# Altium PCB main.PcbDoc
Units mm, origin at the board's own origin, x right, y up, seen from the top; angles counter-clockwise.
Board outline 74.83 x 28.1 mm, 2 copper layers (S1 TOP, S2 BOTTOM), stack 0.67 mm thick; 90 components, 47 nets, 254 pads, 153 vias.
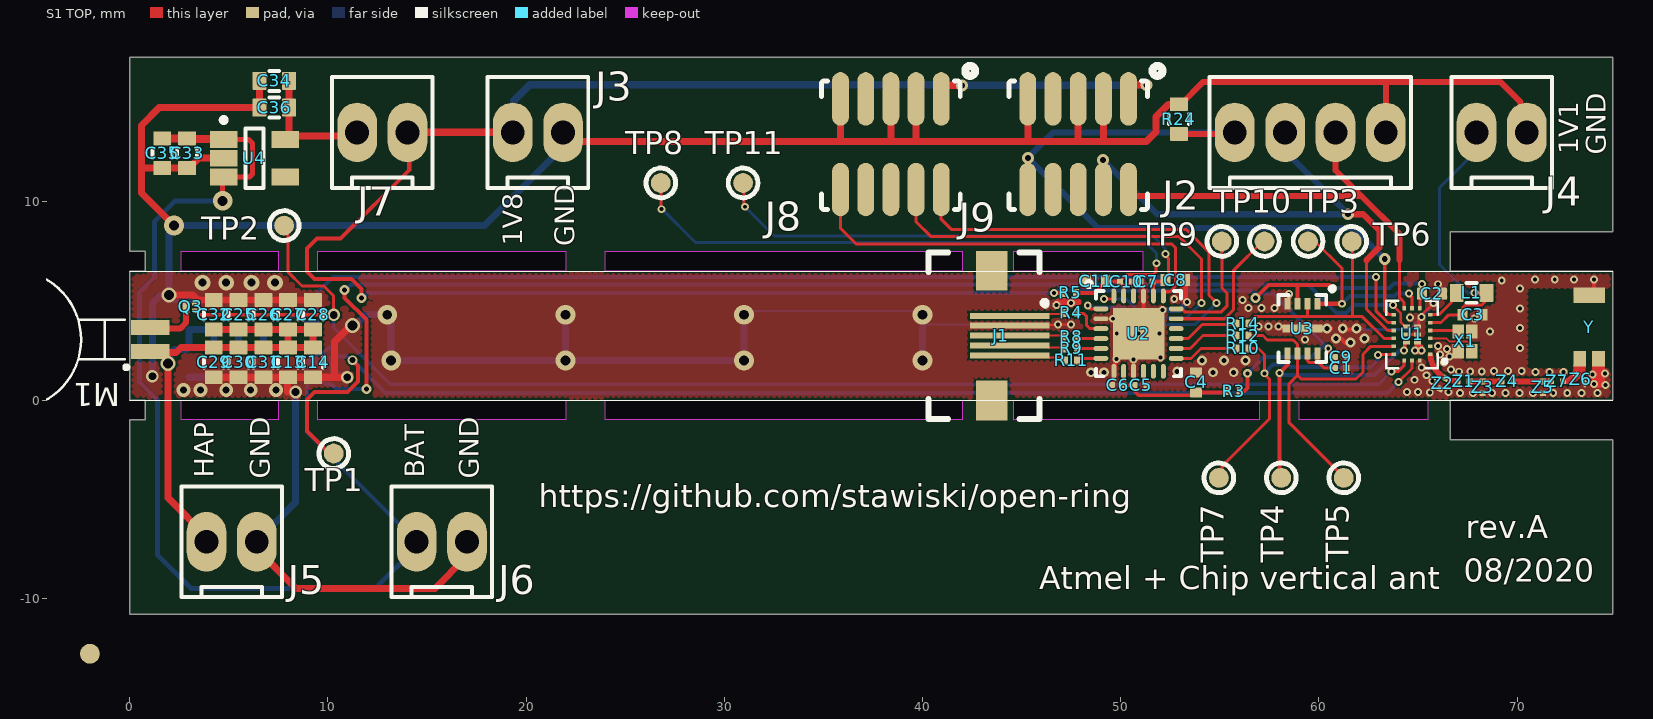
[diagram p0: S1 TOP view]
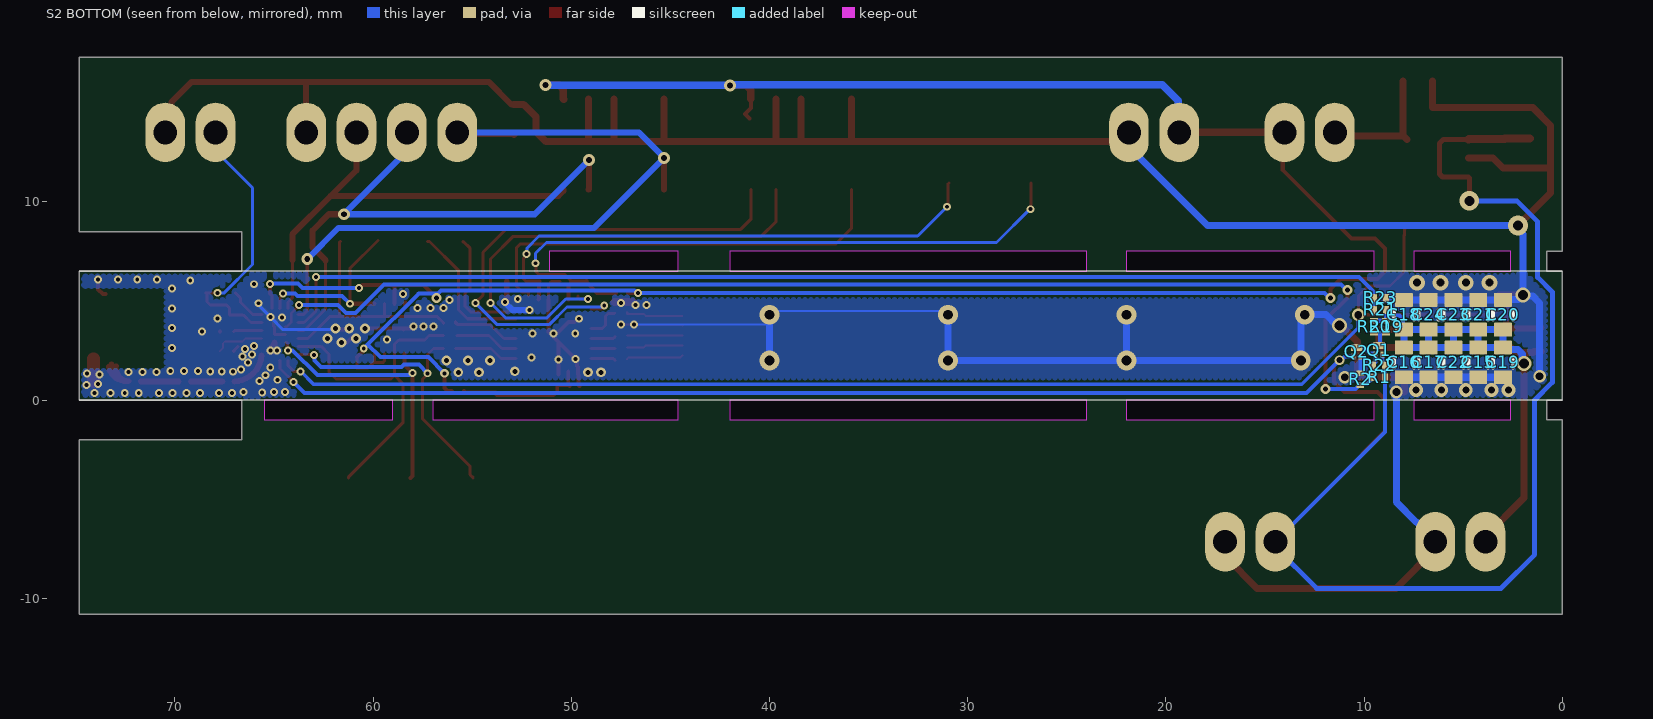
[diagram p1: S2 BOTTOM view, seen from below]
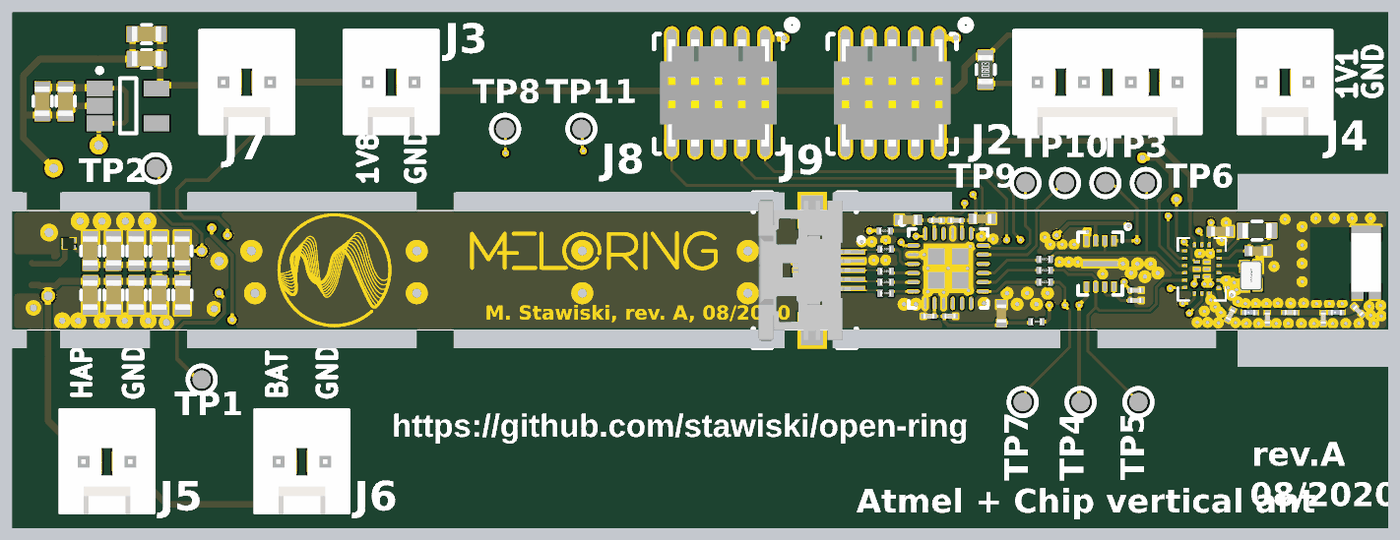
[diagram p2: 3D render of the assembled board from above, using the file's embedded part models]
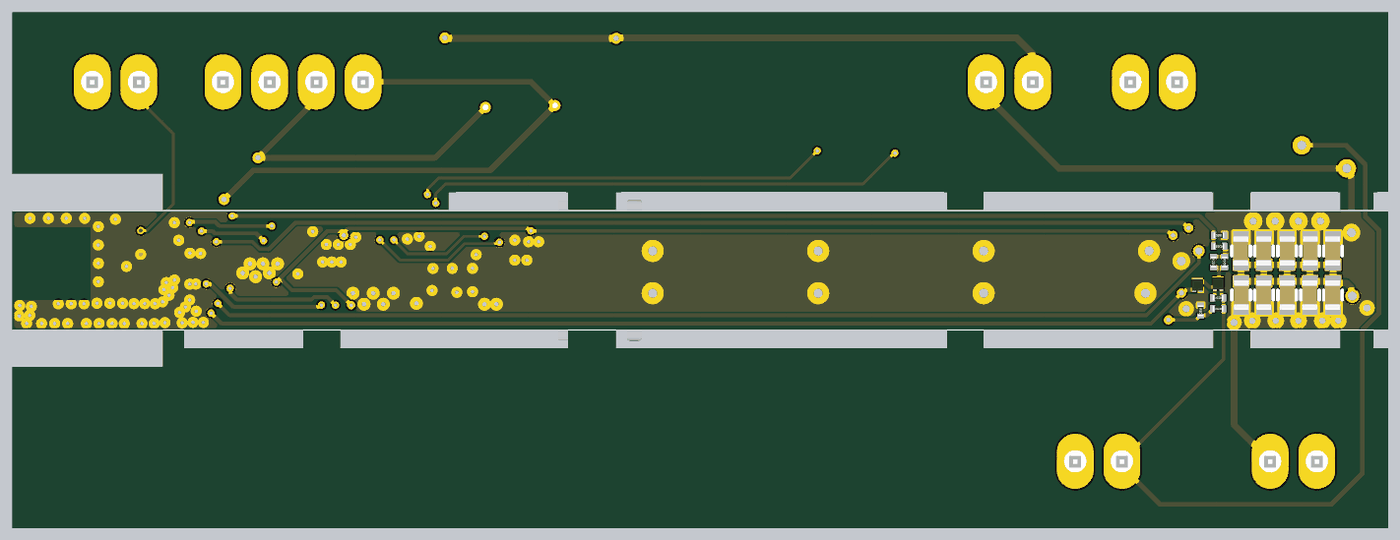
[diagram p3: 3D render of the assembled board from below, using the file's embedded part models]

## Layer stack, top to bottom
Top Solder: solder mask 0.0102, Solder Resist, Dk 3.5
S1 TOP: signal copper 0.035
Dielectric 1: dielectric 0.6, FR-4, Dk 4.8
S2 BOTTOM: signal copper 0.035
Bottom Solder: solder mask 0.0102, Solder Resist, Dk 3.5

## Board outline
74.828,6.502 66.625,6.5 66.625,8.5 74.828,8.5 74.828,17.3 0,17.3 0,7.5 0.8,7.5 0.8,6.5 0,6.5 0,0 0.8,0 0.8,-1 0,-1 0,-10.8 74.828,-10.8 74.828,-2 66.625,-2 66.625,0 74.828,0
cut-out: 59,0 65.475,0 65.475,-1 59,-1
cut-out: 44.6,0 57,0 57,-1 44.6,-1
cut-out: 44.6,7.5 51.1,7.5 51.1,6.5 44.6,6.5
cut-out: 24,0 42,0 42,-1 24,-1
cut-out: 24,7.5 42,7.5 42,6.5 24,6.5
cut-out: 9.5,0 22,0 22,-1 9.5,-1
cut-out: 9.5,7.5 22,7.5 22,6.5 9.5,6.5
cut-out: 2.6,0 7.5,0 7.5,-1 2.6,-1
cut-out: 2.6,7.5 7.5,7.5 7.5,6.5 2.6,6.5

## Design rules (kind name [scope] priority, off if disabled: settings)
BoardOutlineClearance [All] p1: gap=0.076 ignorepadtopadclearanceinfootprint=FALSE
Clearance polygon_clearance [InPolygon] p1: gap=0.093 ignorepadtopadclearanceinfootprint=FALSE
Clearance Clearance_1 [All] p2: gap=0.127 ignorepadtopadclearanceinfootprint=FALSE except(0: Arc-Hole Track-Hole SMDPad-Hole THPad-Hole Via-Hole Fill-Hole Poly-Hole Region-Hole Text-Hole; 0.051: Arc-SMDPad Arc-Fill Arc-Poly Arc-Region Track-SMDPad Track-Fill Track-Poly Track-Region; 0.076: SMDPad-SMDPad; 0.102: Arc-Arc Arc-Track Track-Track)
Clearance [All] p3: gap=0.076 ignorepadtopadclearanceinfootprint=FALSE
HoleSize [All] p1: absolutevalues=TRUE maxlimit=3 minlimit=0.15 maxpercent=80.000 minpercent=20.000
HoleToHoleClearance [All] p1: gap=0 allowstackedmicrovias=FALSE
MinimumAnnularRing [All] p1: minimumring=0.1
MinimumSolderMaskSliver [All] p1: minsoldermaskwidth=0.025
PlaneClearance [All] p1: clearance=0.2
PlaneConnect [All] p1: planeconnectstyle=Relief reliefexpansion=0.15 reliefentries=4 reliefconductorwidth=0.1 reliefairgap=0.15
PolygonConnect [All] p1: connectstyle=Direct reliefconductorwidth=0.3 reliefentries=4 polygonreliefangle="90 Angle" airgapwidth=0.2
RoutingVias [All] p1: holewidth=0.15 width=0.4 viastyle="Through Hole" minholewidth=0.15 minwidth=0.4 maxholewidth=0.5 maxwidth=1.5
SilkToSilkClearance [All] p1: silktosilkclearance=0.05
SilkToSolderMaskClearance [IsPad] p1: minsilkscreentomaskgap=0 clearancetoexposedcopper=TRUE
SolderMaskExpansion [All] p1: expansion=0.102 istentingtop=FALSE
Width [All] p1: maxlimit=1 minlimit=0.051 preferedwidth=0.203 toplayer_prefwidth=0.076 bottomlayer_minwidth=0.102 minimp=50.000000 maximp=50.000000 favimp=50.000000
23 further rules are at their usual default settings.

## Components (designator, comment, footprint, x,y, rotation, side; value= is the part's Value field where it differs from the comment)
C1 "100nF" SMD_CAPACITOR_0201 61.1,1.607 r180 top
C2 "2.2uF" SMD_CAPACITOR_0402 65.7,5.365 r0 top
C3 "10uF" SMD_CAPACITOR_0402 67.75,4.3 r0 top
C4 "10uF" SMD_CAPACITOR_0402 53.8,0.887 r270 top
C5 "100nF" SMD_CAPACITOR_0201 51,0.75 r180 top
C6 "100pF" SMD_CAPACITOR_0201 49.85,0.75 r0 top
C7 "100nF" SMD_CAPACITOR_0201 51.308,5.969 r0 top
C8 "2.2uF" SMD_CAPACITOR_0402 52.75,6.05 r0 top
C9 "2.2uF" SMD_CAPACITOR_0201 61.1,2.165 r0 top
C10 "100nF" SMD_CAPACITOR_0201 50.267,5.969 r180 top
C11 "10uF" SMD_CAPACITOR_0402 48.743,5.994 r0 top
C13 "47uF" SMD_CAPACITOR_0603 8,1.9 r90 top
C14 "47uF" SMD_CAPACITOR_0603 9.25,1.9 r270 top
C15 "47uF" SMD_CAPACITOR_0603 4.25,1.9 r90 bottom
C16 "47uF" SMD_CAPACITOR_0603 8,1.9 r270 bottom
C17 "47uF" SMD_CAPACITOR_0603 6.75,1.9 r90 bottom
C18 "47uF" SMD_CAPACITOR_0603 8,4.3 r90 bottom
C19 "47uF" SMD_CAPACITOR_0603 3,1.9 r90 bottom
C20 "47uF" SMD_CAPACITOR_0603 3,4.3 r90 bottom
C21 "47uF" SMD_CAPACITOR_0603 4.25,4.3 r270 bottom
C22 "47uF" SMD_CAPACITOR_0603 5.5,1.9 r270 bottom
C23 "47uF" SMD_CAPACITOR_0603 5.5,4.3 r270 bottom
C24 "47uF" SMD_CAPACITOR_0603 6.75,4.3 r90 bottom
C25 "47uF" SMD_CAPACITOR_0603 5.5,4.3 r270 top
C26 "47uF" SMD_CAPACITOR_0603 6.75,4.3 r90 top
C27 "47uF" SMD_CAPACITOR_0603 8,4.3 r270 top
C28 "47uF" SMD_CAPACITOR_0603 9.25,4.3 r90 top
C29 "47uF" SMD_CAPACITOR_0603 4.25,1.9 r90 top
C30 "47uF" SMD_CAPACITOR_0603 5.5,1.9 r270 top
C31 "47uF" SMD_CAPACITOR_0603 6.75,1.9 r90 top
C32 "47uF" SMD_CAPACITOR_0603 4.25,4.3 r90 top
C33 "47uF" SMD_CAPACITOR_0603 2.9,12.45 r90 top
C34 "10uF" SMD_CAPACITOR_0603 7.3,16.1 r0 top
C35 "100nF" SMD_CAPACITOR_0603 1.65,12.45 r90 top
C36 "100nF" SMD_CAPACITOR_0603 7.3,14.75 r0 top
J1 "FPC_CONN_5PIN" 0545500571 45.4,3.25 r270 top
J2 "CONN SWD" "MOLEX KK 0022272041" 59.563,13.5 r0 top
J3 "CONN PWR 1V8" "MOLEX KK 0022272021" 20.6,13.5 r0 top
J4 "CONN PWR 1V1" "MOLEX KK 0022272021" 69.215,13.5 r0 top
J5 "CONN PWR VHAP" "MOLEX KK 0022272021" 5.15,-7.15 r0 top
J6 "CONN VBAT" "MOLEX KK 0022272021" 15.75,-7.15 r0 top
J7 "CONN ON_PWR 1V8" "MOLEX KK 0022272021" 12.75,13.5 r0 top
J8 "CONN_SWD_10PIN" CONN_SWD_10PIN 38.405,12.903 r270 top
J9 "CONN_SWD_10PIN" CONN_SWD_10PIN 47.854,12.903 r270 top
L1 "2.2µH" SMD_INDUCTOR_0603 67.7,5.407 r0 top
M1 "C0720B001F" C0720B001F -5.875,3.05 r90 top
Q1 "PMH1200UPE" "DFN0606-3 (SOT8001)" 9.25,2.54 r180 bottom
Q2 "PMH600UNE" "DFN0606-3 (SOT8001)" 10.375,2.445 r180 bottom
Q3 "PMH600UNE" "DFN0606-3 (SOT8001)" 3.06,4.7 r90 top
R1 "1 MOhm" SMD_RESISTOR_0201 9.25,1.15 r0 bottom
R2 "249 kOhm" SMD_RESISTOR_0201 10.2,1.05 r90 bottom
R3 "100 Ohm" SMD_RESISTOR_0201 55.7,0.45 r180 top
R4 "470 Ohm" SMD_RESISTOR_0201 47.5,4.4 r180 top
R5 "0 Ohm" SMD_RESISTOR_0201 47.45,5.4 r0 top
R8 "470 Ohm" SMD_RESISTOR_0201 47.5,3.2 r180 top
R9 "470 Ohm" SMD_RESISTOR_0201 47.5,2.6 r180 top
R10 "0 Ohm" SMD_RESISTOR_0201 56.15,2.6 r180 top
R11 "470 Ohm" SMD_RESISTOR_0201 47.5,2 r180 top
R12 "0 Ohm" SMD_RESISTOR_0201 56.15,3.25 r180 top
R14 "0 Ohm" SMD_RESISTOR_0201 56.15,3.85 r180 top
R19 "316 Ohm" SMD_RESISTOR_0201 8.9,3.7 r90 bottom
R20 "316 Ohm" SMD_RESISTOR_0201 9.5,3.7 r90 bottom
R21 "1 MOhm" SMD_RESISTOR_0201 9.2,4.55 r0 bottom
R22 "100 kOhm" SMD_RESISTOR_0201 9.25,1.75 r0 bottom
R23 "249 kOhm" SMD_RESISTOR_0201 9.2,5.15 r180 bottom
R24 "10k" SMD_RESISTOR_0603 52.934,14.173 r90 top
TP1 "Testpoint" "Testpoint 1mm" 10.3,-2.7 r0 top
TP2 "Testpoint" "Testpoint 1mm" 7.8,8.8 r90 top
TP3 "Testpoint" "Testpoint 1mm" 59.45,8 r90 top
TP4 "Testpoint" "Testpoint 1mm" 58.1,-3.925 r90 top
TP5 "Testpoint" "Testpoint 1mm" 61.25,-3.925 r90 top
TP6 "Testpoint" "Testpoint 1mm" 61.65,8 r90 top
TP7 "Testpoint" "Testpoint 1mm" 54.95,-3.925 r90 top
TP8 "Testpoint" "Testpoint 1mm" 26.8,10.95 r90 top
TP9 "Testpoint" "Testpoint 1mm" 55.1,8 r90 top
TP10 "Testpoint" "Testpoint 1mm" 57.25,8 r90 top
TP11 "Testpoint" "Testpoint 1mm" 30.95,10.95 r90 top
U1 "DA14531-00000FX2" DA14531-00000FX2-FCGQFN24 64.693,3.307 r180 top
U2 "ATSAML10D16A-M" VQFN24 50.9,3.35 r0 top
U3 "MX25R2035FZUIL0" USON-8L-2x3x0.6mm 59.168,3.607 r180 top
U4 "VOLTAGE_REGULATOR" SOT23-5 6.3,12.2 r0 top
X1 "32MHz" ABM12W 67.368,2.957 r270 top
Y "ANTENNA_W3008" ANTENNA_W3008 73.628,3.683 r270 top
Z1 "3.3nH" SMD_INDUCTOR_0201 67.3,0.946 r0 top
Z2 "1.8pF" SMD_CAPACITOR_0201 66.25,0.835 r243 top
Z3 "1.8pF" SMD_CAPACITOR_0201 68.26,0.646 r270 top
Z4 "10pF" SMD_CAPACITOR_0201 69.5,0.946 r0 top
Z5 "1.8pF" SMD_CAPACITOR_0201 71.3,0.646 r270 top
Z6 "1.8pF" SMD_CAPACITOR_0201 73.2,1.05 r315 top
Z7 "3.3nH" SMD_INDUCTOR_0201 72.011,0.946 r0 top

## Footprints (in the part's own frame and the unit in brackets; to place one, negate y for a bottom-side part, rotate by r counter-clockwise, add the part's x,y. Pads: shape width x height; smd on the part's side, far side on the other; paste and mask are expansions set on the pad)
0545500571 [mm]
  rect 0.3x4 smd paste-0.06 mask+0.07: 1(-1,-1) 2(-0.5,-1) 3(0,-1) 4(0.5,-1) 5(1,-1)
  rect 2x1.6 smd paste-0.2 mask+0: ""(-3.275,-1.9) ""(3.275,-1.9)
  silkscreen extent -4.2,-5.1 4.2,0.89, body extent -3.85,-4.8 3.85,0.2, height 1.2
ABM12W [mm]
  rect 0.73x0.58 smd paste-0.06 mask+0.07: 1(-0.5,-0.35) 2(0.5,-0.35) 3(0.5,0.35) 4(-0.5,0.35)
  body extent -0.8,-0.6 0.8,0.6, height 0.4
ANTENNA_W3008 [mm]
  rect 0.8x0.65 smd: 1(1.6,-0.475) 2(1.6,0.475)
  rect 0.8x1.6 smd: 3(-1.6,0)
  body extent -1.6,-0.8 1.6,0.8, height 1.1
C0720B001F [mm]
  rect 0.76x1.94 smd: 1(-0.6,-6.925) 2(0.6,-6.925)
  silkscreen extent -3.5,-5.81 3.5,3.57, body extent -3.5,-7.5 3.5,3.5, height 2.1
CONN_SWD_10PIN [mm]
  oval 2.7x0.85 smd paste-0.15 mask+0.07: 1(-2.286,2.54) 2(2.286,2.54) 3(-2.286,1.27) 4(2.286,1.27) 5(-2.286,0) 6(2.286,0) 7(-2.286,-1.27) 8(2.286,-1.27) 9(-2.286,-2.54) 10(2.286,-2.54)
  silkscreen extent -3.95,-3.5 3.3,4.25, body extent -2.92,-3.18 2.92,3.17, height 6.11
DA14531-00000FX2-FCGQFN24 [mm] "FCGQFN24 footprint for DA14531"
  rect 0.225x0.18 smd paste-0.03 mask+0.05: 1(-0.913,1) 2(-0.913,0.6) 3(-0.913,0.2) 4(-0.913,-0.2) 5(-0.913,-0.6) 6(-0.913,-1) 10(0.913,-1) 11(0.913,-0.6) 12(0.913,-0.2) 13(0.913,0.2) 14(0.913,0.6) 15(0.913,1)
  rect 0.18x0.225 smd paste-0.03 mask+0.05: 7(-0.4,-1.312) 8(0,-1.312) 9(0.4,-1.312) 16(0.4,1.313) 17(0,1.313) 18(-0.4,1.313)
  rect 0.35x0.2 smd paste-0.03 mask+0.05: 19(-0.275,0.4) 20(-0.275,0) 21(-0.275,-0.4) 22(0.275,-0.4) 23(0.275,0) 24(0.275,0.4)
  silkscreen extent -1.75,-1.7 1.3,1.7, body extent -1.11,-1.5 1.1,1.5, height 0.7
"DFN0606-3 (SOT8001)" [mm] "Nexperia footprint."
  rect 0.6x0.35 smd paste-0.05 mask+0: D(0,0.21)
  rect 0.2x0.3 smd paste+0 mask+0: G(-0.175,-0.245) S(0.175,-0.245)
  body extent -0.31,-0.31 0.31,0.31, height 0.36
"MOLEX KK 0022272021" [mm]
  oval 2x3 hole 1.2: 1(-1.27,0) 2(1.27,0)
  silkscreen extent -2.54,-2.79 2.54,2.79, body extent -2.54,-2.9 2.54,2.9, height 11.7
"MOLEX KK 0022272041" [mm]
  oval 2x3 hole 1.2: 1(-3.81,0) 2(-1.27,0) 3(1.27,0) 4(3.81,0)
  silkscreen extent -5.08,-2.79 5.08,2.79, body extent -5.08,-2.9 5.08,2.9, height 11.7
SMD_CAPACITOR_0201 [mm]
  rrect20% 0.3x0.3 smd paste-0.015 mask+0.06: 1(-0.3,0) 2(0.3,0)
  body extent -0.3,-0.15 0.3,0.15, height 0.3
SMD_CAPACITOR_0402 [mm]
  rrect10% 0.5x0.6 smd paste-1 mask+0.06: 1(-0.5,0) 2(0.5,0)
  body extent -0.5,-0.26 0.5,0.26, height 0.54
SMD_CAPACITOR_0603 [mm]
  rrect10% 0.7x0.9 smd paste-1 mask+0.08: 1(-0.75,0) 2(0.75,0)
  silkscreen extent -0.25,-0.5 0.25,0.5, body extent -0.8,-0.39 0.8,0.43, height 0.86
SMD_INDUCTOR_0201 [mm]
  rrect20% 0.3x0.3 smd paste-0.015 mask+0.06: 1(-0.3,0) 2(0.3,0)
  body extent -0.3,-0.15 0.3,0.15, height 0.3
SMD_INDUCTOR_0603 [mm]
  rrect10% 0.7x0.9 smd paste-1 mask+0.06: 1(-0.75,0) 2(0.75,0)
  silkscreen extent -0.25,-0.5 0.25,0.5, body extent -0.8,-0.4 0.8,0.4, height 0.9
SMD_RESISTOR_0201 [mm]
  rrect20% 0.3x0.4 smd paste+0 mask+0.06: 1(-0.3,0) 2(0.3,0)
  body extent -0.3,-0.15 0.3,0.15, height 0.22
SMD_RESISTOR_0603 [mm]
  rrect10% 0.7x0.9 smd paste-1 mask+0.08: 1(-0.75,0) 2(0.75,0)
  silkscreen extent -0.25,-0.5 0.25,0.5, body extent -0.8,-0.39 0.8,0.41, height 0.45
SOT23-5 [mm] "SOT23-5"
  rect 1.4x0.85 smd: 1(-1.55,0.95) 2(-1.55,0) 3(-1.55,-0.95) 4(1.55,-0.95) 5(1.55,0.95)
  silkscreen extent -1.67,-1.5 0.45,2.05, body extent -0.85,-1.5 0.85,1.5, height 1.1
"Testpoint 1mm" [mm]
  round 1 smd: 1(0,0)
  silkscreen extent -0.75,-0.75 0.75,0.75
USON-8L-2x3x0.6mm [mm]
  rect 0.3x0.6 smd paste-0.05 mask+0.05: 1(-0.75,-1.25) 2(-0.25,-1.25) 3(0.25,-1.25) 4(0.75,-1.25) 5(0.75,1.25) 6(0.25,1.25) 7(-0.25,1.25) 8(-0.75,1.25)
  rect 2x0.4 smd paste-0.05 mask+0.05: 9(0,0)
  silkscreen extent -1.6,-2.1 1.2,1.7, body extent -1,-1.5 1,1.5, height 0.6
VQFN24 [mm] "Atmel VQFN-24 0.5mm pitch 4x4mm body"
  oval 0.75x0.25 smd paste-0.05 mask+0.07: 1(-1.9,1.25) 2(-1.9,0.75) 3(-1.9,0.25) 4(-1.9,-0.25) 5(-1.9,-0.75) 6(-1.9,-1.25) 13(1.9,-1.25) 14(1.9,-0.75) 15(1.9,-0.25) 16(1.9,0.25) 17(1.9,0.75) 18(1.9,1.25)
  oval 0.25x0.75 smd paste-0.05 mask+0.07: 7(-1.25,-1.9) 8(-0.75,-1.9) 9(-0.25,-1.9) 10(0.25,-1.9) 11(0.75,-1.9) 12(1.25,-1.9) 19(1.25,1.9) 20(0.75,1.9) 21(0.25,1.9) 22(-0.25,1.9) 23(-0.75,1.9) 24(-1.25,1.9)
  rect 2.6x2.6 smd paste-5 mask+0.05: 25(0,0)
  silkscreen extent -2.62,-2.15 2.15,2.62, body extent -2,-2 2,2, height 0.9

## Part data
C1 C5 C7 C10: library part GRM033R61A104KE84D, "Ceramic capacitor 100nF 10% 6.3V X5R 0201", Device Package="0201 (0603 Metric)", Mounting Type="Surface Mount, MLCC", Package / Case="0201 (0603 Metric)", Size / Dimension="0.024\" L x 0.012\" W (0.60mm x 0.30mm)"
C2 C8 C9: library part C0402C475M9PAC7867, "Ceramic Capacitor 2.2uF 20% 6.3V X5R 0402", Device Package="0402 (1005 Metric)", Mounting Type="Surface Mount, MLCC", Package / Case="0402 (1005 Metric)", Size / Dimension="0.039\" L x 0.020\" W (1.00mm x 0.50mm)"
C3 C4 C11: library part C0402C475M9PAC7867, "Ceramic Capacitor 10uF 20% 6.3V X5R 0402", Device Package="0402 (1005 Metric)", Mounting Type="Surface Mount, MLCC", Package / Case="0402 (1005 Metric)", Size / Dimension="0.039\" L x 0.020\" W (1.00mm x 0.50mm)"
C6: library part GRM033R61A104KE84D, "Ceramic capacitor 100pF 10% 16V X7R 0201", Device Package="0201 (0603 Metric)", Mounting Type="Surface Mount, MLCC", Package / Case="0201 (0603 Metric)", Size / Dimension="0.024\" L x 0.012\" W (0.60mm x 0.30mm)"
C13 C14 C15 C16 C17 C18 C19 C20 C21 C22 C23 C24 C25 C26 C27 C28 C29 C30 C31 C32: library part C0402C475M9PAC7867, "Ceramic capacitor 4.7uF 20% 6.3V X5R 0402", Device Package="0603 (1608 Metric)", Manufacturer=Murata, Operating Temperature="-55°C ~ 85°C", Part Number=GRM188R60G476ME15D, Temperature Coefficient=X5R, Tolerance=±20%, Voltage - Rated=4V, Mounting Type="Surface Mount, MLCC", Package / Case="0603 (1608 Metric)", Size / Dimension="0.063\" L x 0.031\" W (1.60mm x 0.80mm)", Thickness (Max)=1mm
C33: library part C0402C475M9PAC7867, "Ceramic capacitor 47uF 20% 6.3V X5R 0603", Device Package="0603 (1608 Metric)", Manufacturer=Murata, Operating Temperature="-55°C ~ 85°C", Part Number=GRM188R60G476ME15D, Temperature Coefficient=X5R, Tolerance=±20%, Voltage - Rated=4V, Mounting Type="Surface Mount, MLCC", Package / Case="0603 (1608 Metric)", Size / Dimension="0.063\" L x 0.031\" W (1.60mm x 0.80mm)", Thickness (Max)=1mm
C34: library part C0402C475M9PAC7867, "Ceramic capacitor 10uF 20% 6.3V X5R 0603", Device Package="0603 (1608 Metric)", Manufacturer=Murata, Operating Temperature="-55°C ~ 85°C", Part Number=GRM188R60G476ME15D, Temperature Coefficient=X5R, Tolerance=±20%, Voltage - Rated=4V, Mounting Type="Surface Mount, MLCC", Package / Case="0603 (1608 Metric)", Size / Dimension="0.063\" L x 0.031\" W (1.60mm x 0.80mm)", Thickness (Max)=1mm
C35 C36: library part C0402C475M9PAC7867, "Ceramic capacitor 100nF 20% 6.3V X5R 0603", Device Package="0603 (1608 Metric)", Manufacturer=Murata, Operating Temperature="-55°C ~ 85°C", Part Number=GRM188R60G476ME15D, Temperature Coefficient=X5R, Tolerance=±20%, Voltage - Rated=4V, Mounting Type="Surface Mount, MLCC", Package / Case="0603 (1608 Metric)", Size / Dimension="0.063\" L x 0.031\" W (1.60mm x 0.80mm)", Thickness (Max)=1mm
J1: Manufacturer=Molex
J2: library part 0022272041, "CONN HEADER VERT 4POS 2.54MM", Insulation Color=Natural, Manufacturer=Molex, Material Flammability Rating="UL94 V-0", Supplier Part Number 1=WM4113-ND, ComponentLink1Description=Datasheet, ComponentLink1URL=https://www.molex.com/pdm_docs/sd/022272041_sd.pdf, ComponentLink2Description="DigiKey Link", ComponentLink2URL=http://digikey.com/product-detail/en/molex/0022272041/WM4113-ND/1130579, Connector Type=Header, Contact Finish - Mating=Tin, Contact Finish - Post=Tin, Contact Finish Thickness - Mating="100.0µin (2.54µm)", Contact Length - Mating="0.295\" (7.49mm)", Contact Length - Post="0.140\" (3.56mm)", Contact Material=Brass, Contact Shape=Square, Contact Type="Male Pin", Fastening Type="Friction Lock", Insulation Height="0.461\" (11.70mm)", Insulation Material="Polyamide (PA), Nylon", LastUpdated="2020-01-12 11:52:05 PM", Lifecycle Status=Active, Minimum Order=1, Mounting Type="Through Hole", Number of Positions=4, Number of Positions Loaded=All, Number of Rows=1, Overall Contact Length="0.560\" (14.22mm)", Packaging=Bulk, Part Number=0022272041, Part Status=Active, PartId=78, Pitch - Mating="0.100\" (2.54mm)", Price=0.40, Series="KK 6410", Shrouding="Shrouded - 1 Wall", Style="Board to Cable/Wire", Supplier 1=DigiKey, Termination=Solder
J3 J4 J5 J6 J7: library part 0022272021, "CONN HEADER VERT 2POS 2.54MM", Insulation Color=Natural, Manufacturer=Molex, Material Flammability Rating="UL94 V-0", Supplier Part Number 1=WM4111-ND, ComponentLink1Description=Datasheet, ComponentLink1URL=https://www.molex.com/pdm_docs/sd/022272021_sd.pdf, ComponentLink2Description="DigiKey Link", ComponentLink2URL=http://digikey.com/product-detail/en/molex/0022272021/WM4111-ND/1130577, Connector Type=Header, Contact Finish - Mating=Tin, Contact Finish - Post=Tin, Contact Finish Thickness - Mating="100.0µin (2.54µm)", Contact Length - Mating="0.295\" (7.49mm)", Contact Length - Post="0.140\" (3.56mm)", Contact Material=Brass, Contact Shape=Square, Contact Type="Male Pin", Fastening Type="Friction Lock", Insulation Height="0.461\" (11.70mm)", Insulation Material="Polyamide (PA), Nylon", LastUpdated="2020-01-12 11:51:43 PM", Lifecycle Status=Active, Minimum Order=1, Mounting Type="Through Hole", Number of Positions=2, Number of Positions Loaded=All, Number of Rows=1, Overall Contact Length="0.560\" (14.22mm)", Packaging=Bulk, Part Number=0022272021, Part Status=Active, PartId=76, Pitch - Mating="0.100\" (2.54mm)", Price=0.27, Series="KK 6410", Shrouding="Shrouded - 1 Wall", Style="Board to Cable/Wire", Supplier 1=DigiKey, Termination=Solder